# Altium PCB STM32F407VG.PcbDoc (part 1 of 2)
Units mil, origin at the board's own origin, x right, y up, seen from the top; angles counter-clockwise.
Board outline 2190 x 1496.06 mil, 4 copper layers (Top Layer, GND, PWR, Bottom Layer), stack 23.756 mil thick; 128 components, 112 nets, 488 pads, 364 vias.
Unrouted connection lines stored in the file: 106.
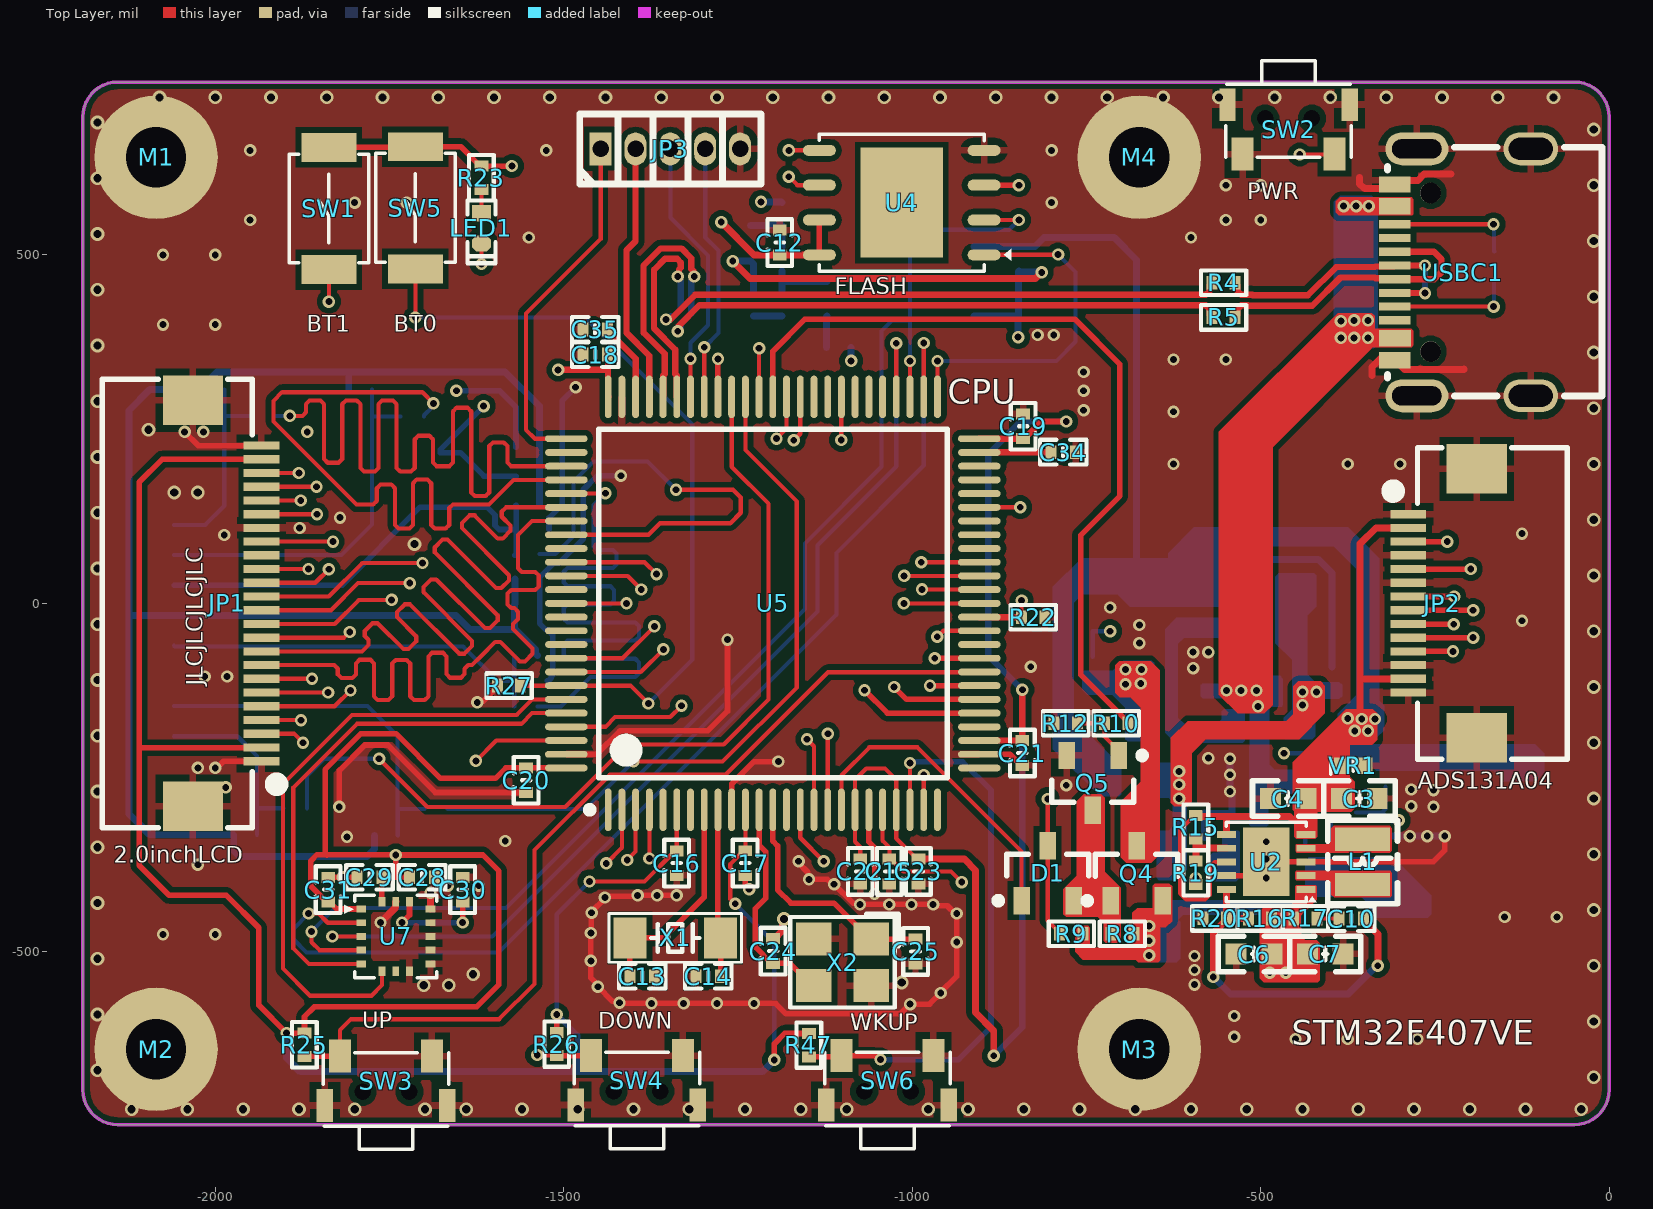
[diagram p0: Top Layer view]
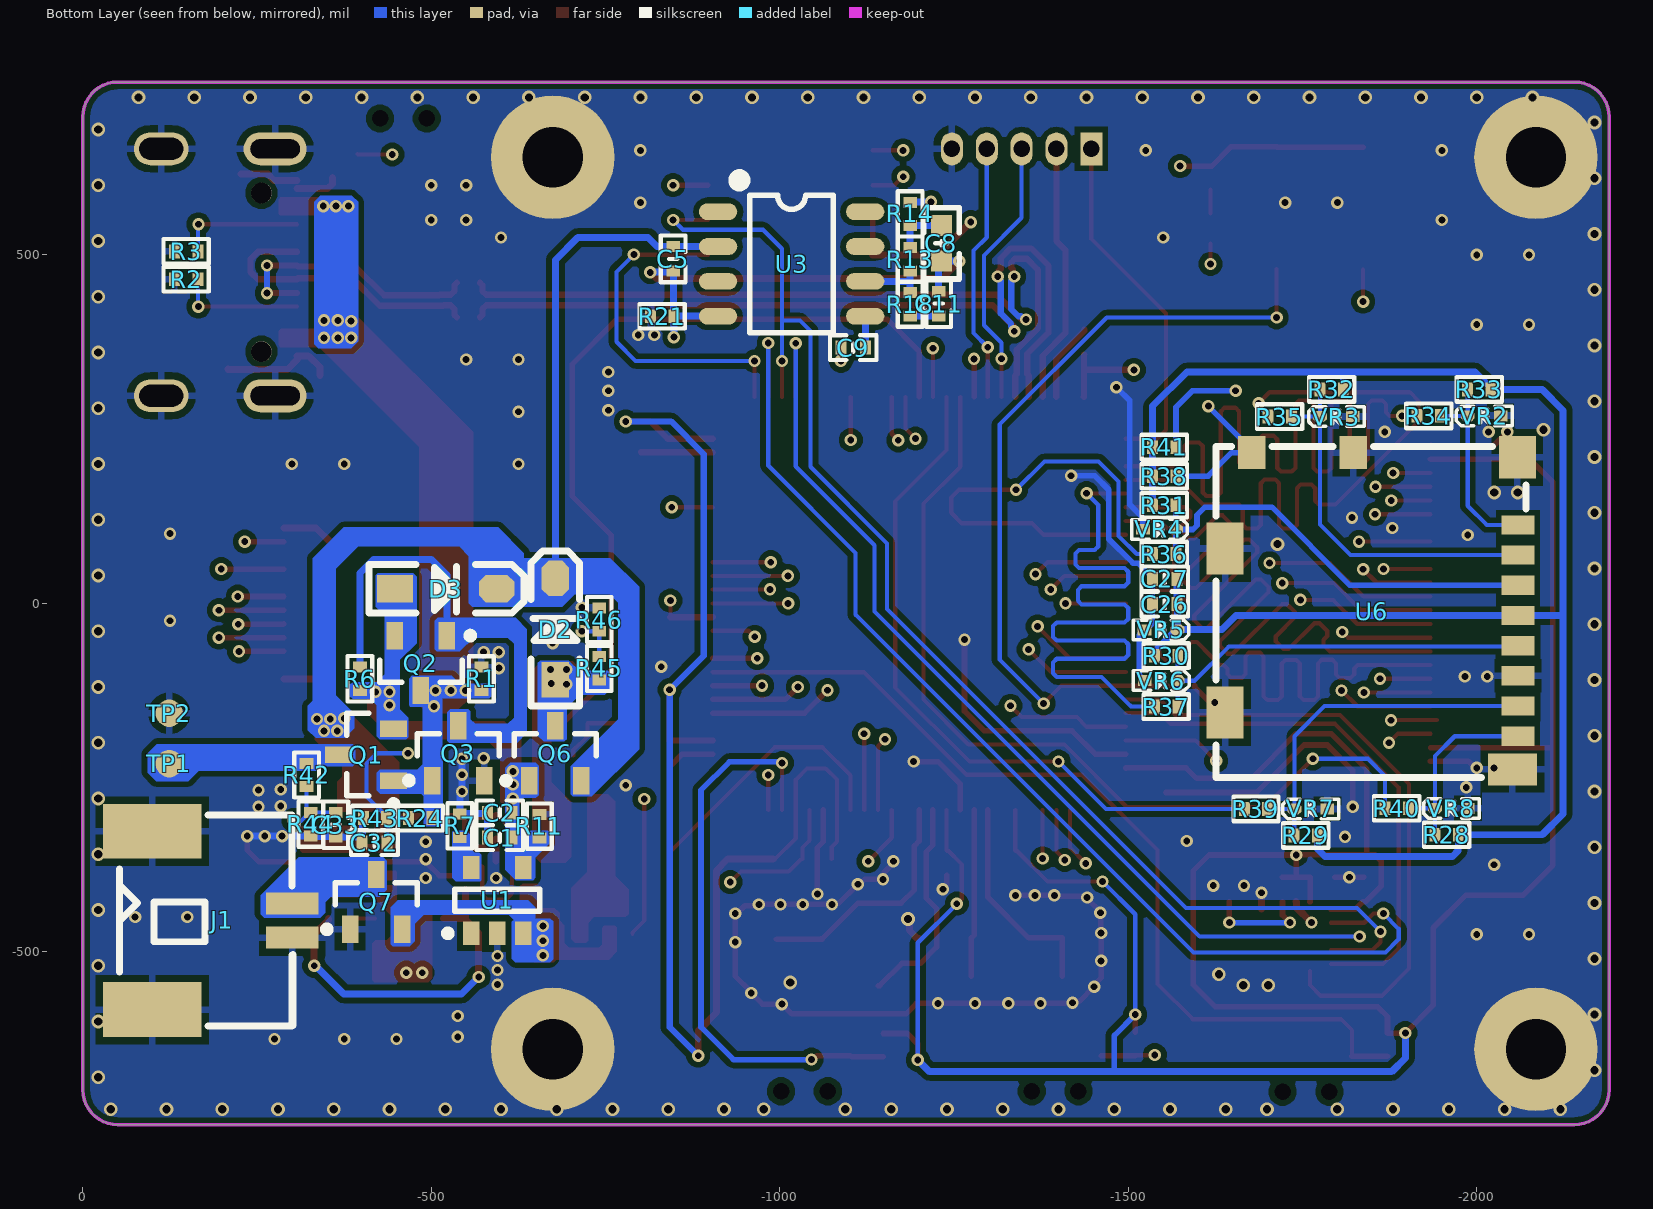
[diagram p1: Bottom Layer view, seen from below]
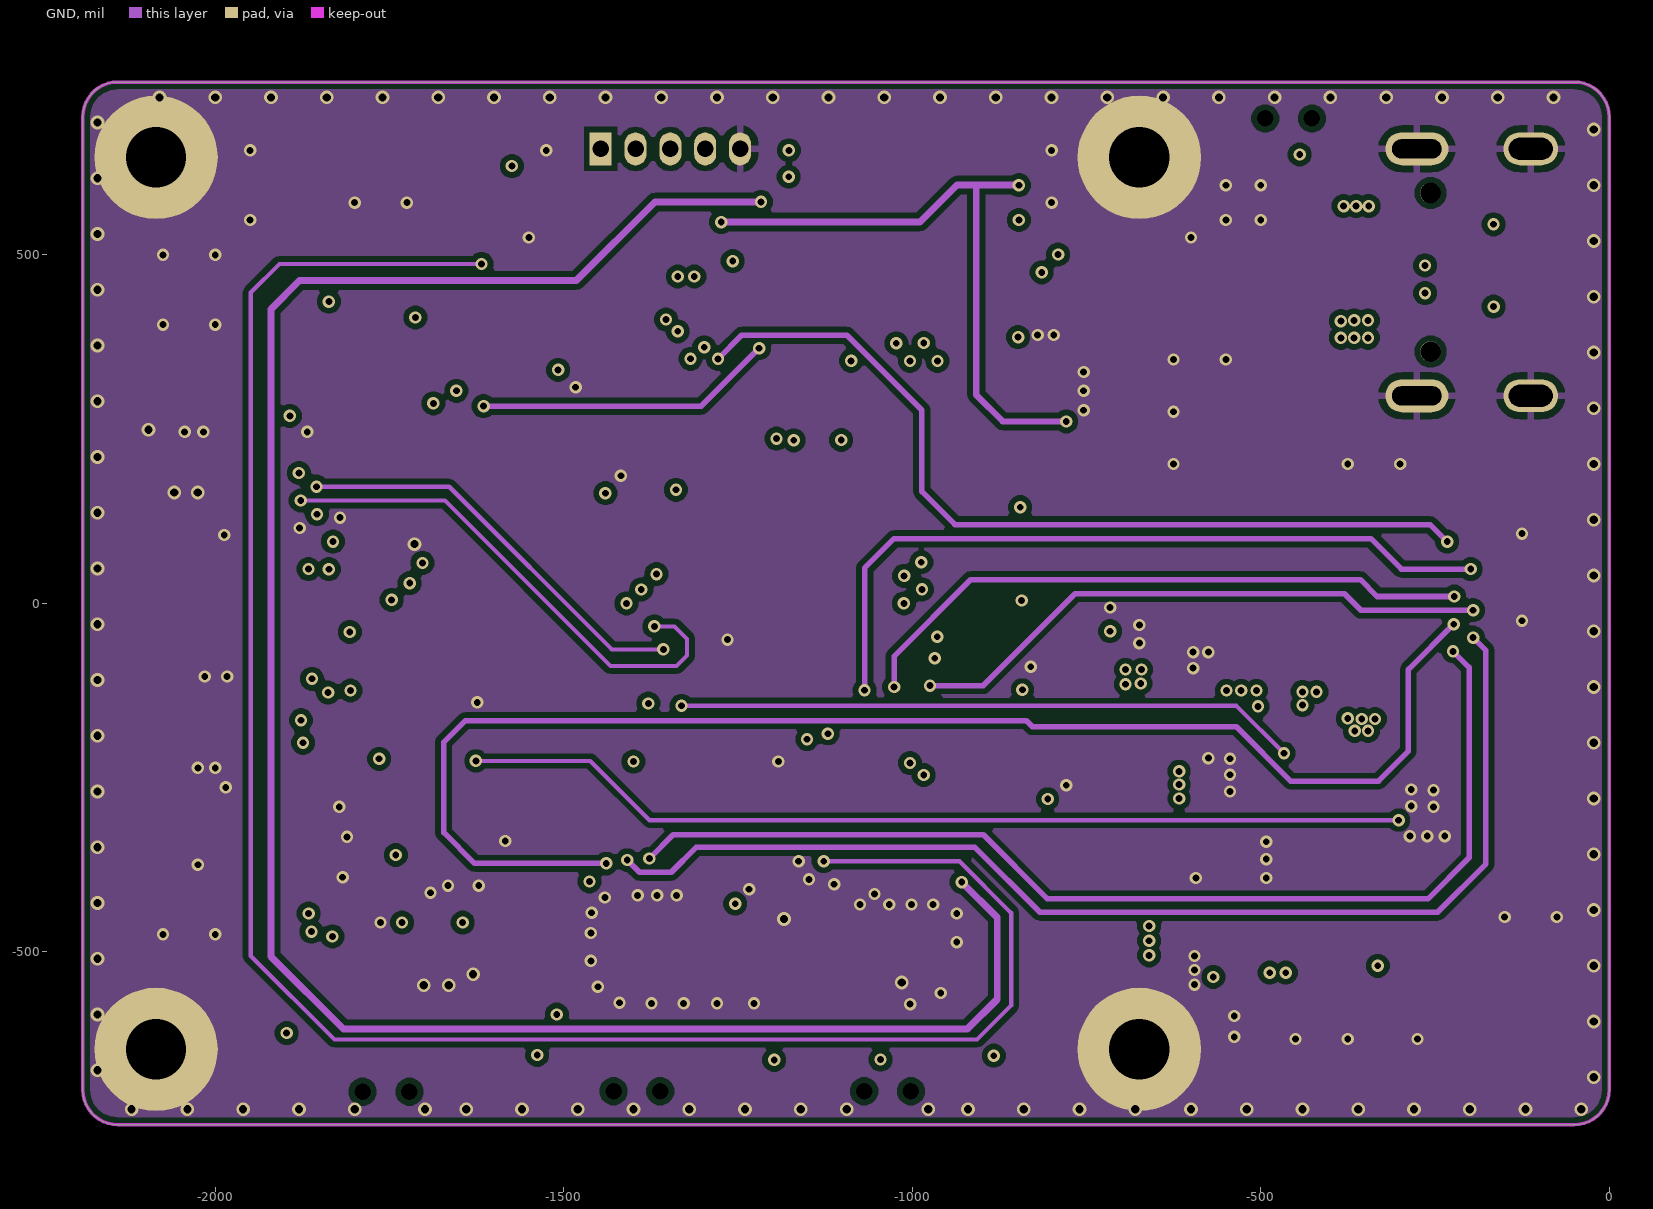
[diagram p2: GND]
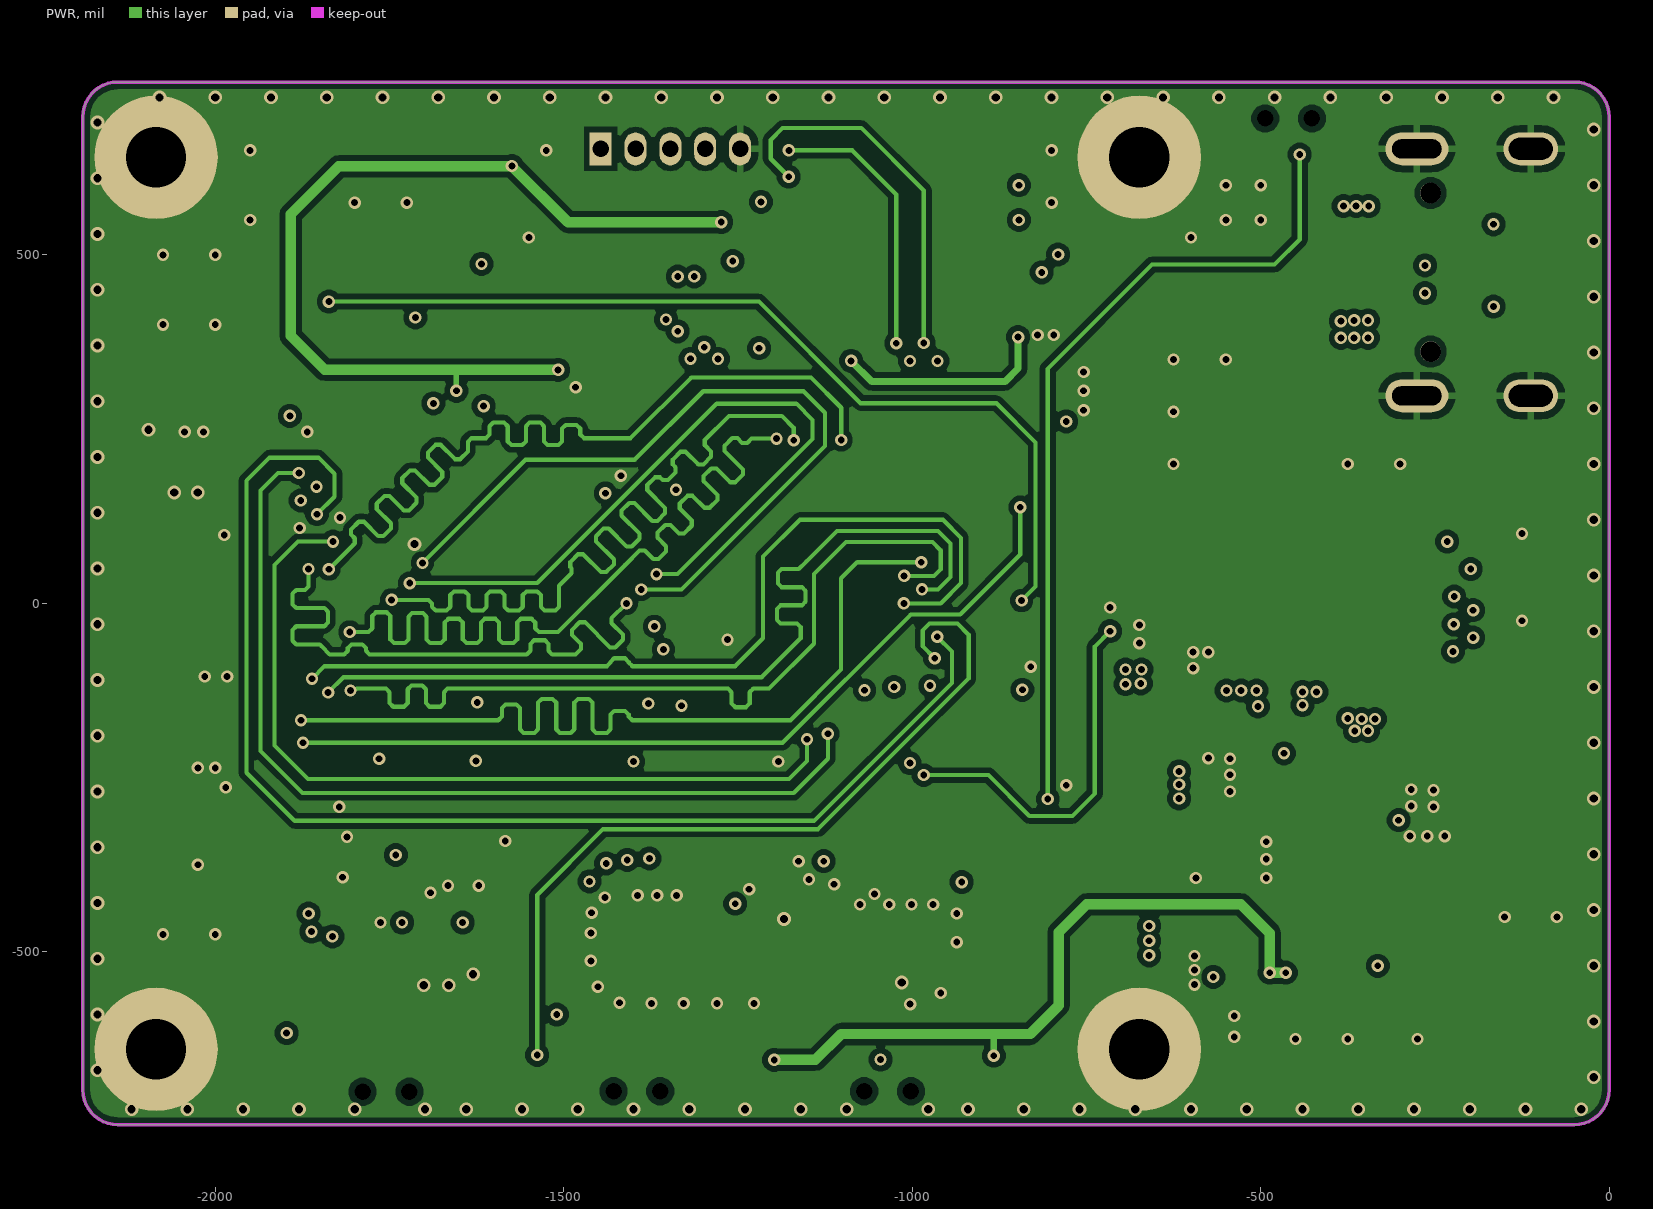
[diagram p3: PWR]
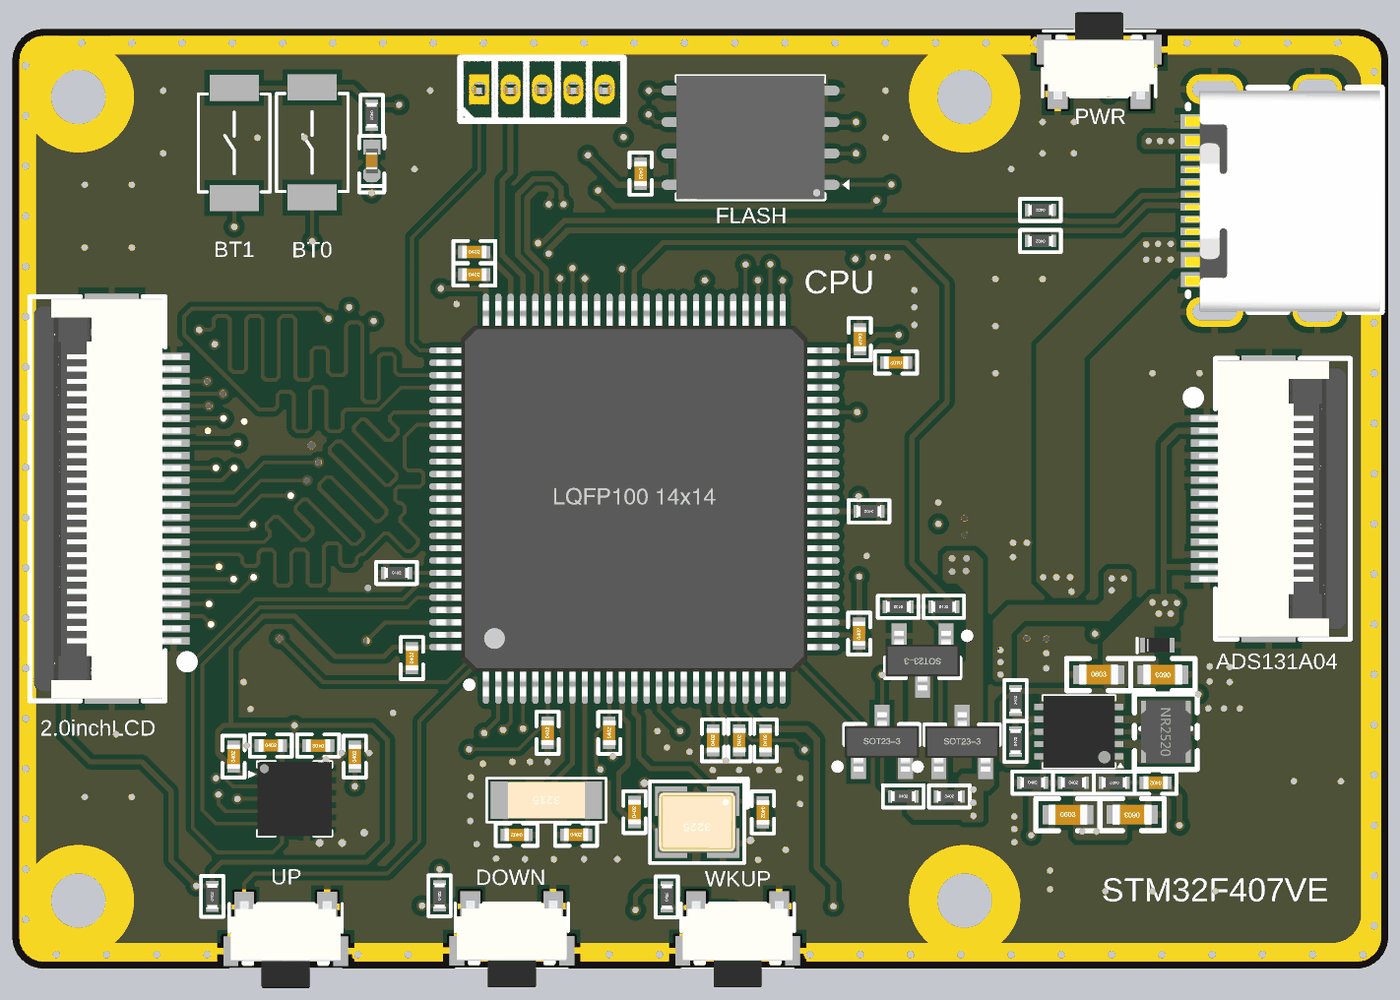
[diagram p5: 3D render of the assembled board from above, using the file's embedded part models]
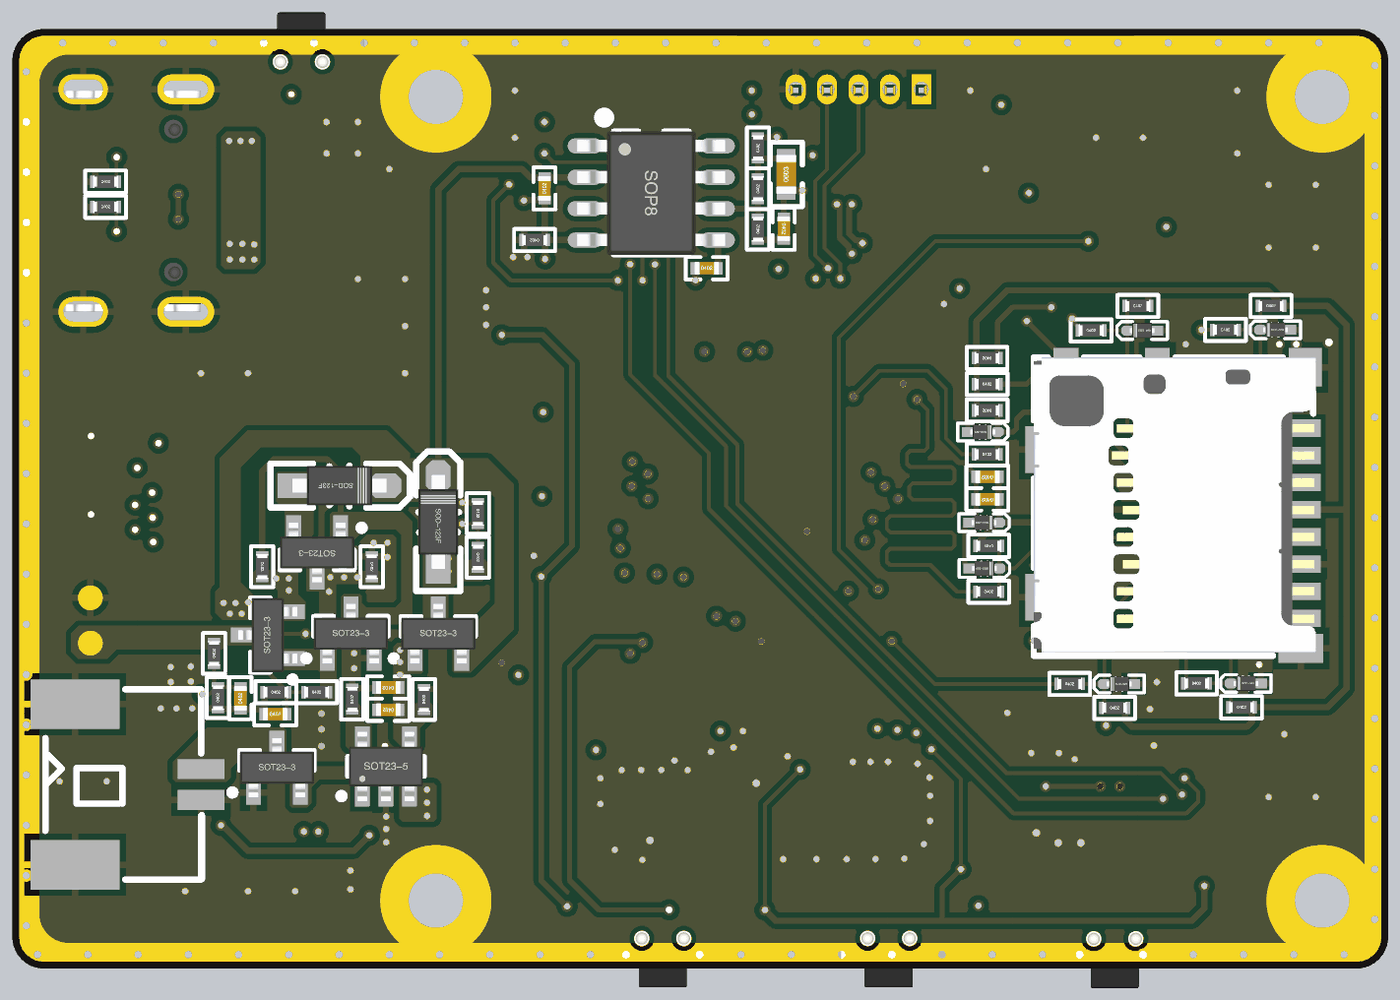
[diagram p6: 3D render of the assembled board from below, using the file's embedded part models]

## Layer stack, top to bottom
Top Solder: solder mask 0.4, Solder Resist, Dk 3.5
Top Layer: signal copper 1.4
Dielectric 2: prepreg 2.8, PP-006, Dk 4.1
GND: signal copper 1.378
Dielectric 1: dielectric 12.6, FR-4, Dk 4.8
PWR: signal copper 1.378
Dielectric 3: prepreg 2.8, PP-006, Dk 4.1
Bottom Layer: signal copper 1.4
Bottom Solder: solder mask 0.4, Solder Resist, Dk 3.5

## Board outline
-2140,-748.03 cw(c-2140,-698.03) -2190,-698.03 -2190,698.03 cw(c-2140,698.03) -2140,748.03 -50,748.03 cw(c-50,698.03) 0,698.03 0,-698.03 cw(c-50,-698.03) -50,-748.03

## Design rules (kind name [scope] priority, off if disabled: settings)
Clearance InPolygon [InPolygon] p1: gap=8 ignorepadtopadclearanceinfootprint=FALSE
Clearance [All] p2: gap=6 ignorepadtopadclearanceinfootprint=FALSE
DiffPairsRouting [All] p1: maxlimit=10 minlimit=6 mostfreqgap=6 toplayer_minwidth=9.01 toplayer_maxwidth=9.01 toplayer_prefwidth=9.01 midlayer1_minwidth=6.36 midlayer1_maxwidth=6.36 midlayer1_prefwidth=6.36 midlayer2_minwidth=6.36 midlayer2_maxwidth=6.36 midlayer2_prefwidth=6.36 bottomlayer_minwidth=9.01 bottomlayer_maxwidth=9.01 bottomlayer_prefwidth=9.01 maxuncoupledlength=500
HoleToHoleClearance [All] p1: gap=0 allowstackedmicrovias=TRUE
MinimumSolderMaskSliver [All] p1: minsoldermaskwidth=0
PolygonConnect M2 [HasFootprint('M2')] p1: connectstyle=Direct reliefconductorwidth=10 reliefentries=4 polygonreliefangle="90 Angle" airgapwidth=10
PolygonConnect [All] p2: thpad.connectstyle=Relief thpad.reliefconductorwidth=10 thpad.reliefentries=4 thpad.polygonreliefangle="90 Angle" thpad.airgapwidth=10 smdpad.connectstyle=Relief smdpad.reliefconductorwidth=10 smdpad.reliefentries=4 smdpad.polygonreliefangle="90 Angle" smdpad.airgapwidth=10 via.connectstyle=Direct via.reliefconductorwidth=10 via.reliefentries=4 via.polygonreliefangle="90 Angle" via.airgapwidth=10
RoutingVias [All] p1: holewidth=9.84 width=17.72 viastyle="Through Hole" minholewidth=9.84 minwidth=17.72 maxholewidth=23.62 maxwidth=31.5
SilkToSilkClearance [All] p1: silktosilkclearance=0
SilkToSolderMaskClearance [IsPad] p1: minsilkscreentomaskgap=0 clearancetoexposedcopper=TRUE
SolderMaskExpansion [Isvia] p1: expansion=4 istentingtop=TRUE useseparateexpansions=TRUE expansionbottom=4 istentingbottom=TRUE
Width [All] p1: maxlimit=50 minlimit=6 preferedwidth=6
25 further rules are at their usual default settings.

## Classes and differential pairs
net class SD_Card: SD_CK SD_CMD SD_D0 SD_D1 SD_D2 SD_D3 SD_VDD SDIO_CK SDIO_CMD SDIO_D0 SDIO_D1 SDIO_D2 SDIO_D3 SDIO_SW
net class 8080: FSMC_A16 FSMC_D0 FSMC_D1 FSMC_D2 FSMC_D3 FSMC_D4 FSMC_D5 FSMC_D6 FSMC_D7 FSMC_NE1 FSMC_NOE FSMC_NWE
component class STM32F407VG_B: C15 C16 C17 C18 C19 C20 C21 C22 C23 C24 C25 C34 C35 R25 R26 R27 R47 SW2 SW3 SW4 SW5 SW6 X2
component class STM32F407VG_A: C13 C14 JP3 LED1 R22 R23 SW1 U5 X1
component class SDCard: C26 C27 R28 R29 R30 R31 R32 R33 R34 R35 R36 R37 R38 R39 R40 R41 U6 VR2 VR3 VR4 VR5 VR6 VR7 VR8
component class Power_2: C3 C4 C5 C6 C7 C8 C9 C10 C11 L1 M1 M2 M3 M4 R13 R14 R15 R16 R17 R18 R19 R20 R21 U2 U3 VR1
component class Power_1: C1 C2 C32 C33 D1 D2 D3 J1 Q1 Q2 Q3 Q4 Q5 Q6 Q7 R1 R2 R3 R4 R5 R6 R7 R8 R9 R10 R11 R12 R24 R42 R43 R44 R45 R46 TP1 TP2 U1 USBC1
component class LCD_ADS131A04: JP1 JP2
component class ICM20608: C28 C29 C30 C31 U7
component class Flash: C12 U4
differential pair USB_D: +USB_D_P -USB_D_N
differential pair ST_USB: +ST_USB_P -ST_USB_N
